# KiCad board Eclipse60.kicad_pcb (continued)
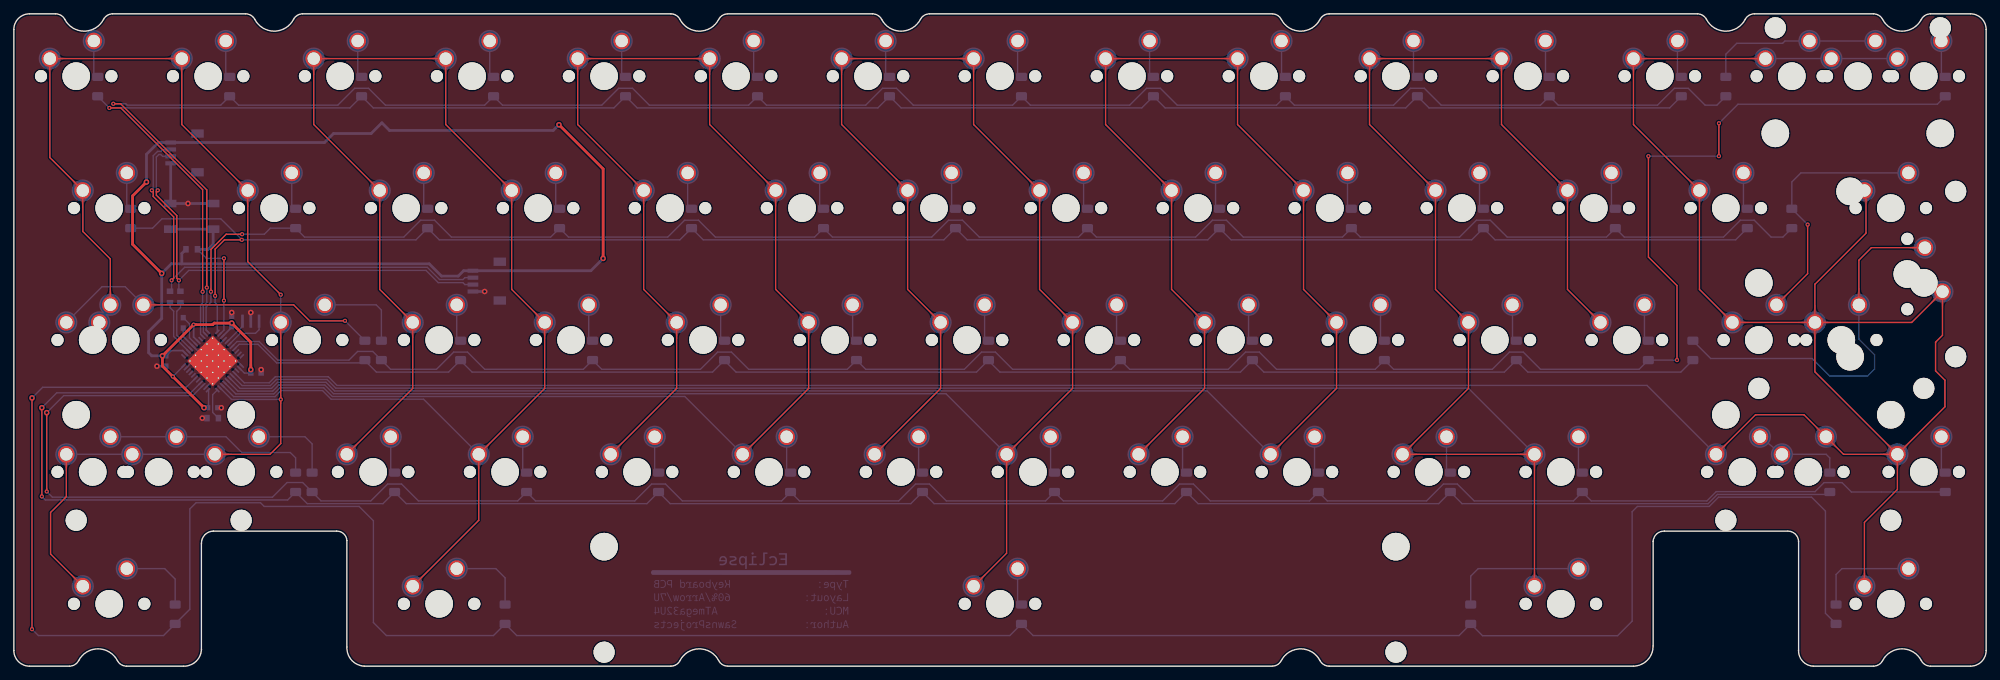
[diagram p0: board, top side]
## Copper pours and planes (outline as drawn; the poured copper is in the pictures) (continued)
C3 on Top: 140.16,13.3 140.09,13.23 140.01,13.17 139.95,13.11 139.88,13.06 139.81,13.02 139.75,12.98 139.69,12.95 139.62,12.92 139.56,12.9 139.5,12.88 139.44,12.86 139.38,12.85 139.32,12.84 139.27,12.83 138.7,12.79 138.62,12.79 138.55,12.78 138.48,12.76 138.4,12.75 138.32,12.73 138.23,12.7 138.15,12.67 138.12,11.12 139.67,11.15 139.7,11.23 139.73,11.32 139.75,11.4 139.76,11.48 139.78,11.55 139.79,11.63 139.79,11.7 139.83,12.27 139.84,12.33 139.85,12.38 139.86,12.44 139.88,12.5 139.89,12.56 139.92,12.62 139.95,12.69 139.98,12.75 140.02,12.81 140.06,12.88 140.11,12.95 140.17,13.02 140.23,13.09 140.3,13.16
C3 on Top: 143.4,28.2 143.4,28.3 143.41,28.4 143.42,28.49 143.43,28.57 143.45,28.65 143.47,28.72 143.49,28.79 143.51,28.85 143.54,28.91 143.57,28.97 143.6,29.02 143.63,29.07 143.66,29.12 143.7,29.17 144.08,29.59 144.12,29.65 144.17,29.71 144.21,29.77 144.26,29.84 144.3,29.91 144.34,29.99 144.38,30.07 143.3,31.19 142.22,30.07 142.26,29.99 142.31,29.91 142.35,29.84 142.39,29.77 142.44,29.71 142.48,29.65 142.53,29.59 142.9,29.17 142.94,29.12 142.98,29.07 143.01,29.02 143.04,28.97 143.07,28.91 143.09,28.85 143.12,28.79 143.14,28.72 143.16,28.65 143.17,28.57 143.19,28.49 143.2,28.4 143.2,28.3 143.2,28.2
C3 on Top: 136.15,87.64 136.25,87.64 136.35,87.63 136.44,87.62 136.52,87.61 136.6,87.6 136.67,87.58 136.74,87.56 136.8,87.53 136.86,87.51 136.91,87.48 136.97,87.45 137.02,87.41 137.07,87.38 137.12,87.34 137.54,86.96 137.6,86.92 137.66,86.88 137.72,86.83 137.79,86.79 137.86,86.74 137.94,86.7 138.02,86.66 139.14,87.74 138.02,88.82 137.94,88.78 137.86,88.74 137.79,88.69 137.72,88.65 137.66,88.61 137.6,88.56 137.54,88.52 137.12,88.14 137.07,88.1 137.02,88.07 136.97,88.03 136.91,88 136.86,87.97 136.8,87.95 136.74,87.92 136.67,87.9 136.6,87.88 136.52,87.87 136.44,87.86 136.35,87.85 136.25,87.84 136.15,87.84
C3 on Top: 121.88,87.84 121.78,87.84 121.68,87.85 121.59,87.86 121.51,87.87 121.43,87.88 121.36,87.9 121.29,87.92 121.23,87.95 121.17,87.97 121.12,88 121.06,88.03 121.01,88.07 120.96,88.1 120.91,88.14 120.49,88.52 120.43,88.56 120.37,88.61 120.31,88.65 120.24,88.69 120.17,88.74 120.09,88.78 120.01,88.82 118.89,87.74 120.01,86.66 120.09,86.7 120.17,86.74 120.24,86.79 120.31,86.83 120.37,86.88 120.43,86.92 120.49,86.96 120.91,87.34 120.96,87.38 121.01,87.41 121.06,87.45 121.12,87.48 121.17,87.51 121.23,87.53 121.29,87.56 121.36,87.58 121.43,87.6 121.51,87.61 121.59,87.62 121.68,87.63 121.78,87.64 121.88,87.64
C3 on Top: 151.07,51.26 151.14,51.19 151.2,51.12 151.26,51.05 151.31,50.98 151.35,50.91 151.39,50.85 151.42,50.79 151.45,50.72 151.47,50.66 151.49,50.6 151.51,50.54 151.52,50.48 151.53,50.43 151.54,50.37 151.57,49.8 151.58,49.73 151.59,49.65 151.61,49.58 151.62,49.5 151.64,49.42 151.67,49.33 151.69,49.25 153.25,49.22 153.22,50.77 153.13,50.8 153.05,50.83 152.97,50.85 152.89,50.86 152.82,50.88 152.74,50.89 152.67,50.89 152.1,50.93 152.04,50.94 151.98,50.95 151.92,50.96 151.86,50.98 151.8,51 151.74,51.02 151.68,51.05 151.62,51.08 151.55,51.12 151.49,51.16 151.42,51.21 151.35,51.27 151.28,51.33 151.21,51.4
C3 on Top: 148.17,66.3 148.17,66.4 148.17,66.5 148.18,66.59 148.19,66.67 148.21,66.75 148.23,66.82 148.25,66.89 148.27,66.95 148.3,67.01 148.33,67.07 148.36,67.12 148.39,67.17 148.43,67.22 148.46,67.27 148.84,67.69 148.89,67.75 148.93,67.81 148.97,67.87 149.02,67.94 149.06,68.01 149.1,68.09 149.15,68.17 148.07,69.29 146.99,68.17 147.03,68.09 147.07,68.01 147.11,67.94 147.16,67.87 147.2,67.81 147.24,67.75 147.29,67.69 147.67,67.27 147.7,67.22 147.74,67.17 147.77,67.12 147.8,67.07 147.83,67.01 147.86,66.95 147.88,66.89 147.9,66.82 147.92,66.75 147.94,66.67 147.95,66.59 147.96,66.5 147.96,66.4 147.97,66.3
C3 on Top: 146.3,70.31 146.38,70.24 146.44,70.17 146.49,70.1 146.54,70.03 146.59,69.96 146.63,69.9 146.66,69.84 146.69,69.77 146.71,69.71 146.73,69.65 146.75,69.59 146.76,69.53 146.77,69.48 146.78,69.42 146.81,68.85 146.82,68.78 146.83,68.7 146.84,68.63 146.86,68.55 146.88,68.47 146.9,68.38 146.93,68.3 148.49,68.27 148.46,69.82 148.37,69.85 148.29,69.88 148.21,69.9 148.13,69.91 148.05,69.93 147.98,69.94 147.91,69.94 147.34,69.98 147.28,69.99 147.22,70 147.16,70.01 147.1,70.03 147.04,70.05 146.98,70.07 146.92,70.1 146.86,70.13 146.79,70.17 146.73,70.21 146.66,70.26 146.59,70.32 146.52,70.38 146.45,70.45
C3 on Bottom: 141.54,32.21 141.61,32.14 141.68,32.07 141.73,32 141.78,31.93 141.83,31.86 141.86,31.8 141.9,31.74 141.92,31.67 141.95,31.61 141.97,31.55 141.98,31.49 142,31.43 142.01,31.38 142.01,31.32 142.05,30.75 142.06,30.68 142.07,30.6 142.08,30.53 142.1,30.45 142.12,30.37 142.14,30.28 142.17,30.2 143.73,30.17 143.7,31.72 143.61,31.75 143.53,31.78 143.44,31.8 143.37,31.81 143.29,31.83 143.22,31.84 143.15,31.84 142.58,31.88 142.52,31.89 142.46,31.9 142.4,31.91 142.34,31.93 142.28,31.95 142.22,31.97 142.16,32 142.09,32.03 142.03,32.07 141.96,32.11 141.9,32.16 141.83,32.22 141.76,32.28 141.68,32.35
C3 on Bottom: 140.98,32.78 141.07,32.68 141.16,32.58 141.23,32.49 141.3,32.4 141.36,32.31 141.41,32.22 141.45,32.14 141.48,32.06 141.51,31.97 141.54,31.89 141.56,31.81 141.58,31.73 141.59,31.65 141.6,31.57 141.6,31.49 141.61,31.41 141.62,30.99 141.63,30.9 141.63,30.81 141.64,30.71 141.66,30.61 141.67,30.51 141.69,30.4 141.72,30.3 141.75,30.18 141.79,30.07 143.87,30.02 143.83,32.1 143.71,32.14 143.6,32.17 143.49,32.2 143.38,32.22 143.28,32.24 143.18,32.25 143.09,32.26 143,32.27 142.9,32.27 142.48,32.29 142.4,32.29 142.32,32.3 142.24,32.31 142.16,32.32 142.08,32.33 142,32.35 141.92,32.38 141.84,32.41 141.75,32.44 141.67,32.49 141.58,32.54 141.49,32.6 141.4,32.66 141.31,32.74 141.22,32.82 141.12,32.92
C4 on Top: 167.22,66.3 167.22,66.4 167.22,66.5 167.23,66.59 167.24,66.67 167.26,66.75 167.28,66.82 167.3,66.89 167.32,66.95 167.35,67.01 167.38,67.07 167.41,67.12 167.44,67.17 167.48,67.22 167.51,67.27 167.89,67.69 167.94,67.75 167.98,67.81 168.02,67.87 168.07,67.94 168.11,68.01 168.15,68.09 168.2,68.17 167.12,69.29 166.04,68.17 166.08,68.09 166.12,68.01 166.16,67.94 166.21,67.87 166.25,67.81 166.29,67.75 166.34,67.69 166.72,67.27 166.75,67.22 166.79,67.17 166.82,67.12 166.85,67.07 166.88,67.01 166.91,66.95 166.93,66.89 166.95,66.82 166.97,66.75 166.99,66.67 167,66.59 167.01,66.5 167.01,66.4 167.02,66.3
C4 on Top: 174.25,87.64 174.35,87.64 174.45,87.63 174.54,87.62 174.62,87.61 174.7,87.6 174.77,87.58 174.84,87.56 174.9,87.53 174.96,87.51 175.01,87.48 175.07,87.45 175.12,87.41 175.17,87.38 175.22,87.34 175.64,86.96 175.7,86.92 175.76,86.88 175.82,86.83 175.89,86.79 175.96,86.74 176.04,86.7 176.12,86.66 177.24,87.74 176.12,88.82 176.04,88.78 175.96,88.74 175.89,88.69 175.82,88.65 175.76,88.61 175.7,88.56 175.64,88.52 175.22,88.14 175.17,88.1 175.12,88.07 175.07,88.03 175.01,88 174.96,87.97 174.9,87.95 174.84,87.92 174.77,87.9 174.7,87.88 174.62,87.87 174.54,87.86 174.45,87.85 174.35,87.84 174.25,87.84
C4 on Top: 159.98,87.84 159.88,87.84 159.78,87.85 159.69,87.86 159.61,87.87 159.53,87.88 159.46,87.9 159.39,87.92 159.33,87.95 159.27,87.97 159.22,88 159.16,88.03 159.11,88.07 159.06,88.1 159.01,88.14 158.59,88.52 158.53,88.56 158.47,88.61 158.41,88.65 158.34,88.69 158.27,88.74 158.19,88.78 158.11,88.82 156.99,87.74 158.11,86.66 158.19,86.7 158.27,86.74 158.34,86.79 158.41,86.83 158.47,86.88 158.53,86.92 158.59,86.96 159.01,87.34 159.06,87.38 159.11,87.41 159.16,87.45 159.22,87.48 159.27,87.51 159.33,87.53 159.39,87.56 159.46,87.58 159.53,87.6 159.61,87.61 159.69,87.62 159.78,87.63 159.88,87.64 159.98,87.64
C4 on Top: 189.17,51.26 189.24,51.19 189.3,51.12 189.36,51.05 189.41,50.98 189.45,50.91 189.49,50.85 189.52,50.79 189.55,50.72 189.57,50.66 189.59,50.6 189.61,50.54 189.62,50.48 189.63,50.43 189.64,50.37 189.67,49.8 189.68,49.73 189.69,49.65 189.71,49.58 189.72,49.5 189.74,49.42 189.77,49.33 189.79,49.25 191.35,49.22 191.32,50.77 191.23,50.8 191.15,50.83 191.07,50.85 190.99,50.86 190.92,50.88 190.84,50.89 190.77,50.89 190.2,50.93 190.14,50.94 190.08,50.95 190.02,50.96 189.96,50.98 189.9,51 189.84,51.02 189.78,51.05 189.72,51.08 189.65,51.12 189.59,51.16 189.52,51.21 189.45,51.27 189.38,51.33 189.31,51.4
C4 on Top: 186.27,66.3 186.27,66.4 186.27,66.5 186.28,66.59 186.29,66.67 186.31,66.75 186.33,66.82 186.35,66.89 186.37,66.95 186.4,67.01 186.43,67.07 186.46,67.12 186.49,67.17 186.53,67.22 186.56,67.27 186.94,67.69 186.99,67.75 187.03,67.81 187.07,67.87 187.12,67.94 187.16,68.01 187.2,68.09 187.25,68.17 186.17,69.29 185.09,68.17 185.13,68.09 185.17,68.01 185.21,67.94 185.26,67.87 185.3,67.81 185.34,67.75 185.39,67.69 185.77,67.27 185.8,67.22 185.84,67.17 185.87,67.12 185.9,67.07 185.93,67.01 185.96,66.95 185.98,66.89 186,66.82 186.02,66.75 186.04,66.67 186.05,66.59 186.06,66.5 186.06,66.4 186.07,66.3
C4 on Top: 184.4,70.31 184.48,70.24 184.54,70.17 184.59,70.1 184.64,70.03 184.69,69.96 184.73,69.9 184.76,69.84 184.79,69.77 184.81,69.71 184.83,69.65 184.85,69.59 184.86,69.53 184.87,69.48 184.88,69.42 184.91,68.85 184.92,68.78 184.93,68.7 184.94,68.63 184.96,68.55 184.98,68.47 185,68.38 185.03,68.3 186.59,68.27 186.56,69.82 186.47,69.85 186.39,69.88 186.31,69.9 186.23,69.91 186.15,69.93 186.08,69.94 186.01,69.94 185.44,69.98 185.38,69.99 185.32,70 185.26,70.01 185.2,70.03 185.14,70.05 185.08,70.07 185.02,70.1 184.96,70.13 184.89,70.17 184.83,70.21 184.76,70.26 184.69,70.32 184.62,70.38 184.55,70.45
C4 on Top: 176.74,85.35 176.74,85.45 176.75,85.55 176.76,85.64 176.77,85.72 176.78,85.8 176.8,85.87 176.82,85.94 176.85,86 176.87,86.06 176.9,86.12 176.93,86.17 176.97,86.22 177,86.27 177.04,86.32 177.42,86.74 177.46,86.8 177.51,86.86 177.55,86.92 177.59,86.99 177.64,87.06 177.68,87.14 177.72,87.22 176.64,88.34 175.56,87.22 175.6,87.14 175.64,87.06 175.69,86.99 175.73,86.92 175.77,86.86 175.82,86.8 175.86,86.74 176.24,86.32 176.28,86.27 176.31,86.22 176.35,86.17 176.38,86.12 176.41,86.06 176.43,86 176.46,85.94 176.48,85.87 176.5,85.8 176.51,85.72 176.52,85.64 176.53,85.55 176.54,85.45 176.54,85.35
C4 on Top: 157.69,85.35 157.69,85.45 157.7,85.55 157.71,85.64 157.72,85.72 157.73,85.8 157.75,85.87 157.77,85.94 157.8,86 157.82,86.06 157.85,86.12 157.88,86.17 157.92,86.22 157.95,86.27 157.99,86.32 158.37,86.74 158.41,86.8 158.46,86.86 158.5,86.92 158.54,86.99 158.59,87.06 158.63,87.14 158.67,87.22 157.59,88.34 156.51,87.22 156.55,87.14 156.59,87.06 156.64,86.99 156.68,86.92 156.72,86.86 156.77,86.8 156.81,86.74 157.19,86.32 157.23,86.27 157.26,86.22 157.3,86.17 157.33,86.12 157.36,86.06 157.38,86 157.41,85.94 157.43,85.87 157.45,85.8 157.46,85.72 157.47,85.64 157.48,85.55 157.49,85.45 157.49,85.35
C4 on Top: 165.35,70.31 165.43,70.24 165.49,70.17 165.54,70.1 165.59,70.03 165.64,69.96 165.68,69.9 165.71,69.84 165.74,69.77 165.76,69.71 165.78,69.65 165.8,69.59 165.81,69.53 165.82,69.48 165.83,69.42 165.86,68.85 165.87,68.78 165.88,68.7 165.89,68.63 165.91,68.55 165.93,68.47 165.95,68.38 165.98,68.3 167.54,68.27 167.51,69.82 167.42,69.85 167.34,69.88 167.26,69.9 167.18,69.91 167.1,69.93 167.03,69.94 166.96,69.94 166.39,69.98 166.33,69.99 166.27,70 166.21,70.01 166.15,70.03 166.09,70.05 166.03,70.07 165.97,70.1 165.91,70.13 165.84,70.17 165.78,70.21 165.71,70.26 165.64,70.32 165.57,70.38 165.5,70.45
C4 on Top: 163.97,32.35 163.9,32.28 163.83,32.22 163.76,32.16 163.69,32.11 163.63,32.07 163.56,32.03 163.5,32 163.44,31.97 163.38,31.95 163.32,31.93 163.26,31.91 163.2,31.9 163.14,31.89 163.08,31.88 162.51,31.84 162.44,31.84 162.36,31.83 162.29,31.81 162.21,31.8 162.13,31.78 162.05,31.75 161.96,31.72 161.93,30.17 163.49,30.2 163.51,30.28 163.54,30.37 163.56,30.45 163.57,30.53 163.59,30.6 163.6,30.68 163.61,30.75 163.64,31.32 163.65,31.38 163.66,31.43 163.67,31.49 163.69,31.55 163.71,31.61 163.73,31.67 163.76,31.74 163.79,31.8 163.83,31.86 163.87,31.93 163.92,32 163.98,32.07 164.04,32.14 164.11,32.21
C4 on Top: 171.98,47.25 171.98,47.35 171.98,47.45 171.99,47.54 172.01,47.62 172.02,47.7 172.04,47.77 172.06,47.84 172.09,47.9 172.11,47.96 172.14,48.02 172.17,48.07 172.2,48.12 172.24,48.17 172.28,48.22 172.65,48.64 172.7,48.7 172.74,48.76 172.79,48.82 172.83,48.89 172.87,48.96 172.92,49.04 172.96,49.12 171.88,50.24 170.8,49.12 170.84,49.04 170.88,48.96 170.92,48.89 170.97,48.82 171.01,48.76 171.06,48.7 171.1,48.64 171.48,48.22 171.52,48.17 171.55,48.12 171.58,48.07 171.61,48.02 171.64,47.96 171.67,47.9 171.69,47.84 171.71,47.77 171.73,47.7 171.75,47.62 171.76,47.54 171.77,47.45 171.78,47.35 171.78,47.25
C4 on Top: 183.02,32.35 182.95,32.28 182.88,32.22 182.81,32.16 182.74,32.11 182.68,32.07 182.61,32.03 182.55,32 182.49,31.97 182.43,31.95 182.37,31.93 182.31,31.91 182.25,31.9 182.19,31.89 182.13,31.88 181.56,31.84 181.49,31.84 181.41,31.83 181.34,31.81 181.26,31.8 181.18,31.78 181.1,31.75 181.01,31.72 180.98,30.17 182.54,30.2 182.56,30.28 182.59,30.37 182.61,30.45 182.62,30.53 182.64,30.6 182.65,30.68 182.66,30.75 182.69,31.32 182.7,31.38 182.71,31.43 182.72,31.49 182.74,31.55 182.76,31.61 182.78,31.67 182.81,31.74 182.84,31.8 182.88,31.86 182.92,31.93 182.97,32 183.03,32.07 183.09,32.14 183.16,32.21
C4 on Top: 191.03,47.25 191.03,47.35 191.03,47.45 191.04,47.54 191.06,47.62 191.07,47.7 191.09,47.77 191.11,47.84 191.14,47.9 191.16,47.96 191.19,48.02 191.22,48.07 191.25,48.12 191.29,48.17 191.33,48.22 191.7,48.64 191.75,48.7 191.79,48.76 191.84,48.82 191.88,48.89 191.92,48.96 191.97,49.04 192.01,49.12 190.93,50.24 189.85,49.12 189.89,49.04 189.93,48.96 189.97,48.89 190.02,48.82 190.06,48.76 190.11,48.7 190.15,48.64 190.53,48.22 190.57,48.17 190.6,48.12 190.63,48.07 190.66,48.02 190.69,47.96 190.72,47.9 190.74,47.84 190.76,47.77 190.78,47.7 190.8,47.62 190.81,47.54 190.82,47.45 190.83,47.35 190.83,47.25
C4 on Top: 170.12,51.26 170.19,51.19 170.25,51.12 170.31,51.05 170.36,50.98 170.4,50.91 170.44,50.85 170.47,50.79 170.5,50.72 170.52,50.66 170.54,50.6 170.56,50.54 170.57,50.48 170.58,50.43 170.59,50.37 170.62,49.8 170.63,49.73 170.64,49.65 170.66,49.58 170.67,49.5 170.69,49.42 170.72,49.33 170.74,49.25 172.3,49.22 172.27,50.77 172.18,50.8 172.1,50.83 172.02,50.85 171.94,50.86 171.87,50.88 171.79,50.89 171.72,50.89 171.15,50.93 171.09,50.94 171.03,50.95 170.97,50.96 170.91,50.98 170.85,51 170.79,51.02 170.73,51.05 170.67,51.08 170.6,51.12 170.54,51.16 170.47,51.21 170.4,51.27 170.33,51.33 170.26,51.4
C4 on Bottom: 179.08,32.78 179.17,32.68 179.26,32.58 179.33,32.49 179.4,32.4 179.46,32.31 179.51,32.22 179.55,32.14 179.58,32.06 179.61,31.97 179.64,31.89 179.66,31.81 179.68,31.73 179.69,31.65 179.7,31.57 179.7,31.49 179.71,31.41 179.72,30.99 179.73,30.9 179.73,30.81 179.74,30.71 179.76,30.61 179.77,30.51 179.79,30.4 179.82,30.3 179.85,30.18 179.89,30.07 181.97,30.02 181.93,32.1 181.81,32.14 181.7,32.17 181.59,32.2 181.48,32.22 181.38,32.24 181.28,32.25 181.19,32.26 181.1,32.27 181,32.27 180.58,32.29 180.5,32.29 180.42,32.3 180.34,32.31 180.26,32.32 180.18,32.33 180.1,32.35 180.02,32.38 179.94,32.41 179.85,32.44 179.77,32.49 179.68,32.54 179.59,32.6 179.5,32.66 179.41,32.74 179.32,32.82 179.22,32.92
C4 on Bottom: 179.64,32.21 179.71,32.14 179.78,32.07 179.83,32 179.88,31.93 179.93,31.86 179.96,31.8 180,31.74 180.02,31.67 180.05,31.61 180.07,31.55 180.08,31.49 180.1,31.43 180.11,31.38 180.11,31.32 180.15,30.75 180.16,30.68 180.17,30.6 180.18,30.53 180.2,30.45 180.22,30.37 180.24,30.28 180.27,30.2 181.83,30.17 181.8,31.72 181.71,31.75 181.63,31.78 181.54,31.8 181.47,31.81 181.39,31.83 181.32,31.84 181.25,31.84 180.68,31.88 180.62,31.89 180.56,31.9 180.5,31.91 180.44,31.93 180.38,31.95 180.32,31.97 180.26,32 180.19,32.03 180.13,32.07 180.06,32.11 180,32.16 179.93,32.22 179.86,32.28 179.78,32.35
C5 on Top: 212.35,87.64 212.45,87.64 212.55,87.63 212.64,87.62 212.72,87.61 212.8,87.6 212.87,87.58 212.94,87.56 213,87.53 213.06,87.51 213.11,87.48 213.17,87.45 213.22,87.41 213.27,87.38 213.32,87.34 213.74,86.96 213.8,86.92 213.86,86.88 213.92,86.83 213.99,86.79 214.06,86.74 214.14,86.7 214.22,86.66 215.34,87.74 214.22,88.82 214.14,88.78 214.06,88.74 213.99,88.69 213.92,88.65 213.86,88.61 213.8,88.56 213.74,88.52 213.32,88.14 213.27,88.1 213.22,88.07 213.17,88.03 213.11,88 213.06,87.97 213,87.95 212.94,87.92 212.87,87.9 212.8,87.88 212.72,87.87 212.64,87.86 212.55,87.85 212.45,87.84 212.35,87.84
C5 on Top: 198.08,87.84 197.98,87.84 197.88,87.85 197.79,87.86 197.71,87.87 197.63,87.88 197.56,87.9 197.49,87.92 197.43,87.95 197.37,87.97 197.32,88 197.26,88.03 197.21,88.07 197.16,88.1 197.11,88.14 196.69,88.52 196.63,88.56 196.57,88.61 196.51,88.65 196.44,88.69 196.37,88.74 196.29,88.78 196.21,88.82 195.09,87.74 196.21,86.66 196.29,86.7 196.37,86.74 196.44,86.79 196.51,86.83 196.57,86.88 196.63,86.92 196.69,86.96 197.11,87.34 197.16,87.38 197.21,87.41 197.26,87.45 197.32,87.48 197.37,87.51 197.43,87.53 197.49,87.56 197.56,87.58 197.63,87.6 197.71,87.61 197.79,87.62 197.88,87.63 197.98,87.64 198.08,87.64
C5 on Top: 227.27,51.26 227.34,51.19 227.4,51.12 227.46,51.05 227.51,50.98 227.55,50.91 227.59,50.85 227.62,50.79 227.65,50.72 227.67,50.66 227.69,50.6 227.71,50.54 227.72,50.48 227.73,50.43 227.74,50.37 227.77,49.8 227.78,49.73 227.79,49.65 227.81,49.58 227.82,49.5 227.84,49.42 227.87,49.33 227.89,49.25 229.45,49.22 229.42,50.77 229.33,50.8 229.25,50.83 229.17,50.85 229.09,50.86 229.02,50.88 228.94,50.89 228.87,50.89 228.3,50.93 228.24,50.94 228.18,50.95 228.12,50.96 228.06,50.98 228,51 227.94,51.02 227.88,51.05 227.82,51.08 227.75,51.12 227.69,51.16 227.62,51.21 227.55,51.27 227.48,51.33 227.41,51.4
C5 on Top: 224.37,66.3 224.37,66.4 224.37,66.5 224.38,66.59 224.39,66.67 224.41,66.75 224.43,66.82 224.45,66.89 224.47,66.95 224.5,67.01 224.53,67.07 224.56,67.12 224.59,67.17 224.63,67.22 224.66,67.27 225.04,67.69 225.09,67.75 225.13,67.81 225.17,67.87 225.22,67.94 225.26,68.01 225.3,68.09 225.35,68.17 224.27,69.29 223.19,68.17 223.23,68.09 223.27,68.01 223.31,67.94 223.36,67.87 223.4,67.81 223.44,67.75 223.49,67.69 223.87,67.27 223.9,67.22 223.94,67.17 223.97,67.12 224,67.07 224.03,67.01 224.06,66.95 224.08,66.89 224.1,66.82 224.12,66.75 224.14,66.67 224.15,66.59 224.16,66.5 224.16,66.4 224.17,66.3
C5 on Top: 222.5,70.31 222.58,70.24 222.64,70.17 222.69,70.1 222.74,70.03 222.79,69.96 222.83,69.9 222.86,69.84 222.89,69.77 222.91,69.71 222.93,69.65 222.95,69.59 222.96,69.53 222.97,69.48 222.98,69.42 223.01,68.85 223.02,68.78 223.03,68.7 223.04,68.63 223.06,68.55 223.08,68.47 223.1,68.38 223.13,68.3 224.69,68.27 224.66,69.82 224.57,69.85 224.49,69.88 224.41,69.9 224.33,69.91 224.25,69.93 224.18,69.94 224.11,69.94 223.54,69.98 223.48,69.99 223.42,70 223.36,70.01 223.3,70.03 223.24,70.05 223.18,70.07 223.12,70.1 223.06,70.13 222.99,70.17 222.93,70.21 222.86,70.26 222.79,70.32 222.72,70.38 222.65,70.45
C5 on Top: 214.84,85.35 214.84,85.45 214.85,85.55 214.86,85.64 214.87,85.72 214.88,85.8 214.9,85.87 214.92,85.94 214.95,86 214.97,86.06 215,86.12 215.03,86.17 215.07,86.22 215.1,86.27 215.14,86.32 215.52,86.74 215.56,86.8 215.61,86.86 215.65,86.92 215.69,86.99 215.74,87.06 215.78,87.14 215.82,87.22 214.74,88.34 213.66,87.22 213.7,87.14 213.74,87.06 213.79,86.99 213.83,86.92 213.87,86.86 213.92,86.8 213.96,86.74 214.34,86.32 214.38,86.27 214.41,86.22 214.45,86.17 214.48,86.12 214.51,86.06 214.53,86 214.56,85.94 214.58,85.87 214.6,85.8 214.61,85.72 214.62,85.64 214.63,85.55 214.64,85.45 214.64,85.35
C5 on Top: 202.07,32.35 202,32.28 201.93,32.22 201.86,32.16 201.79,32.11 201.73,32.07 201.66,32.03 201.6,32 201.54,31.97 201.48,31.95 201.42,31.93 201.36,31.91 201.3,31.9 201.24,31.89 201.18,31.88 200.61,31.84 200.54,31.84 200.46,31.83 200.39,31.81 200.31,31.8 200.23,31.78 200.15,31.75 200.06,31.72 200.03,30.17 201.59,30.2 201.61,30.28 201.64,30.37 201.66,30.45 201.67,30.53 201.69,30.6 201.7,30.68 201.71,30.75 201.74,31.32 201.75,31.38 201.76,31.43 201.77,31.49 201.79,31.55 201.81,31.61 201.83,31.67 201.86,31.74 201.89,31.8 201.93,31.86 201.97,31.93 202.02,32 202.08,32.07 202.14,32.14 202.21,32.21
C5 on Top: 208.22,51.26 208.29,51.19 208.35,51.12 208.41,51.05 208.46,50.98 208.5,50.91 208.54,50.85 208.57,50.79 208.6,50.72 208.62,50.66 208.64,50.6 208.66,50.54 208.67,50.48 208.68,50.43 208.69,50.37 208.72,49.8 208.73,49.73 208.74,49.65 208.76,49.58 208.77,49.5 208.79,49.42 208.82,49.33 208.84,49.25 210.4,49.22 210.37,50.77 210.28,50.8 210.2,50.83 210.12,50.85 210.04,50.86 209.97,50.88 209.89,50.89 209.82,50.89 209.25,50.93 209.19,50.94 209.13,50.95 209.07,50.96 209.01,50.98 208.95,51 208.89,51.02 208.83,51.05 208.77,51.08 208.7,51.12 208.64,51.16 208.57,51.21 208.5,51.27 208.43,51.33 208.36,51.4
C5 on Top: 210.08,47.25 210.08,47.35 210.08,47.45 210.09,47.54 210.11,47.62 210.12,47.7 210.14,47.77 210.16,47.84 210.19,47.9 210.21,47.96 210.24,48.02 210.27,48.07 210.3,48.12 210.34,48.17 210.38,48.22 210.75,48.64 210.8,48.7 210.84,48.76 210.89,48.82 210.93,48.89 210.97,48.96 211.02,49.04 211.06,49.12 209.98,50.24 208.9,49.12 208.94,49.04 208.98,48.96 209.02,48.89 209.07,48.82 209.11,48.76 209.16,48.7 209.2,48.64 209.58,48.22 209.62,48.17 209.65,48.12 209.68,48.07 209.71,48.02 209.74,47.96 209.77,47.9 209.79,47.84 209.81,47.77 209.83,47.7 209.85,47.62 209.86,47.54 209.87,47.45 209.88,47.35 209.88,47.25
C5 on Top: 205.32,66.3 205.32,66.4 205.32,66.5 205.33,66.59 205.34,66.67 205.36,66.75 205.38,66.82 205.4,66.89 205.42,66.95 205.45,67.01 205.48,67.07 205.51,67.12 205.54,67.17 205.58,67.22 205.61,67.27 205.99,67.69 206.04,67.75 206.08,67.81 206.12,67.87 206.17,67.94 206.21,68.01 206.25,68.09 206.3,68.17 205.22,69.29 204.14,68.17 204.18,68.09 204.22,68.01 204.26,67.94 204.31,67.87 204.35,67.81 204.39,67.75 204.44,67.69 204.82,67.27 204.85,67.22 204.89,67.17 204.92,67.12 204.95,67.07 204.98,67.01 205.01,66.95 205.03,66.89 205.05,66.82 205.07,66.75 205.09,66.67 205.1,66.59 205.11,66.5 205.11,66.4 205.12,66.3
C5 on Top: 203.45,70.31 203.53,70.24 203.59,70.17 203.64,70.1 203.69,70.03 203.74,69.96 203.78,69.9 203.81,69.84 203.84,69.77 203.86,69.71 203.88,69.65 203.9,69.59 203.91,69.53 203.92,69.48 203.93,69.42 203.96,68.85 203.97,68.78 203.98,68.7 203.99,68.63 204.01,68.55 204.03,68.47 204.05,68.38 204.08,68.3 205.64,68.27 205.61,69.82 205.52,69.85 205.44,69.88 205.36,69.9 205.28,69.91 205.2,69.93 205.13,69.94 205.06,69.94 204.49,69.98 204.43,69.99 204.37,70 204.31,70.01 204.25,70.03 204.19,70.05 204.13,70.07 204.07,70.1 204.01,70.13 203.94,70.17 203.88,70.21 203.81,70.26 203.74,70.32 203.67,70.38 203.6,70.45
C5 on Top: 217.11,30.49 217.21,30.49 217.31,30.48 217.4,30.47 217.48,30.46 217.56,30.45 217.63,30.43 217.7,30.41 217.76,30.38 217.82,30.36 217.88,30.33 217.93,30.3 217.98,30.26 218.03,30.23 218.08,30.19 218.51,29.81 218.56,29.77 218.62,29.73 218.68,29.68 218.75,29.64 218.82,29.59 218.9,29.55 218.98,29.51 220.1,30.59 218.98,31.67 218.9,31.63 218.82,31.59 218.75,31.54 218.68,31.5 218.62,31.46 218.56,31.41 218.51,31.37 218.08,30.99 218.03,30.95 217.98,30.92 217.93,30.88 217.88,30.85 217.82,30.82 217.76,30.8 217.7,30.77 217.63,30.75 217.56,30.73 217.48,30.72 217.4,30.71 217.31,30.7 217.21,30.69 217.11,30.69
C5 on Top: 195.79,85.35 195.79,85.45 195.8,85.55 195.81,85.64 195.82,85.72 195.83,85.8 195.85,85.87 195.87,85.94 195.9,86 195.92,86.06 195.95,86.12 195.98,86.17 196.02,86.22 196.05,86.27 196.09,86.32 196.47,86.74 196.51,86.8 196.56,86.86 196.6,86.92 196.64,86.99 196.69,87.06 196.73,87.14 196.77,87.22 195.69,88.34 194.61,87.22 194.65,87.14 194.69,87.06 194.74,86.99 194.78,86.92 194.82,86.86 194.87,86.8 194.91,86.74 195.29,86.32 195.33,86.27 195.36,86.22 195.4,86.17 195.43,86.12 195.46,86.06 195.48,86 195.51,85.94 195.53,85.87 195.55,85.8 195.56,85.72 195.57,85.64 195.58,85.55 195.59,85.45 195.59,85.35
C5 on Top: 202.84,30.69 202.74,30.69 202.65,30.7 202.56,30.71 202.47,30.72 202.4,30.73 202.32,30.75 202.26,30.77 202.19,30.8 202.13,30.82 202.08,30.85 202.02,30.88 201.97,30.92 201.92,30.95 201.88,30.99 201.45,31.37 201.39,31.41 201.33,31.46 201.27,31.5 201.2,31.54 201.13,31.59 201.06,31.63 200.98,31.67 199.85,30.59 200.98,29.51 201.06,29.55 201.13,29.59 201.2,29.64 201.27,29.68 201.33,29.73 201.39,29.77 201.45,29.81 201.88,30.19 201.92,30.23 201.97,30.26 202.02,30.3 202.08,30.33 202.13,30.36 202.19,30.38 202.26,30.41 202.32,30.43 202.4,30.45 202.47,30.46 202.56,30.47 202.65,30.48 202.74,30.49 202.84,30.49
C5 on Top: 219.6,28.2 219.6,28.3 219.61,28.4 219.62,28.49 219.63,28.57 219.65,28.65 219.67,28.72 219.69,28.79 219.71,28.85 219.74,28.91 219.77,28.97 219.8,29.02 219.83,29.07 219.86,29.12 219.9,29.17 220.28,29.59 220.32,29.65 220.37,29.71 220.41,29.77 220.46,29.84 220.5,29.91 220.54,29.99 220.58,30.07 219.5,31.19 218.42,30.07 218.46,29.99 218.51,29.91 218.55,29.84 218.59,29.77 218.64,29.71 218.68,29.65 218.73,29.59 219.1,29.17 219.14,29.12 219.18,29.07 219.21,29.02 219.24,28.97 219.27,28.91 219.29,28.85 219.32,28.79 219.34,28.72 219.36,28.65 219.37,28.57 219.39,28.49 219.4,28.4 219.4,28.3 219.4,28.2
C5 on Top: 219.4,13.93 219.4,13.83 219.4,13.73 219.39,13.64 219.37,13.56 219.36,13.48 219.34,13.41 219.32,13.35 219.29,13.28 219.27,13.22 219.24,13.17 219.21,13.11 219.18,13.06 219.14,13.01 219.1,12.96 218.73,12.54 218.68,12.48 218.64,12.42 218.59,12.36 218.55,12.29 218.51,12.22 218.46,12.15 218.42,12.06 219.5,10.94 220.58,12.06 220.54,12.15 220.5,12.22 220.46,12.29 220.41,12.36 220.37,12.42 220.32,12.48 220.28,12.54 219.9,12.96 219.86,13.01 219.83,13.06 219.8,13.11 219.77,13.17 219.74,13.22 219.71,13.28 219.69,13.35 219.67,13.41 219.65,13.48 219.63,13.56 219.62,13.64 219.61,13.73 219.6,13.83 219.6,13.93
C5 on Bottom: 217.74,32.21 217.81,32.14 217.88,32.07 217.93,32 217.98,31.93 218.03,31.86 218.06,31.8 218.1,31.74 218.12,31.67 218.15,31.61 218.17,31.55 218.18,31.49 218.2,31.43 218.21,31.38 218.21,31.32 218.25,30.75 218.26,30.68 218.27,30.6 218.28,30.53 218.3,30.45 218.32,30.37 218.34,30.28 218.37,30.2 219.93,30.17 219.9,31.72 219.81,31.75 219.73,31.78 219.64,31.8 219.57,31.81 219.49,31.83 219.42,31.84 219.35,31.84 218.78,31.88 218.72,31.89 218.66,31.9 218.6,31.91 218.54,31.93 218.48,31.95 218.42,31.97 218.36,32 218.29,32.03 218.23,32.07 218.16,32.11 218.1,32.16 218.03,32.22 217.96,32.28 217.88,32.35
